# KiCad board MW601_KB.kicad_pcb
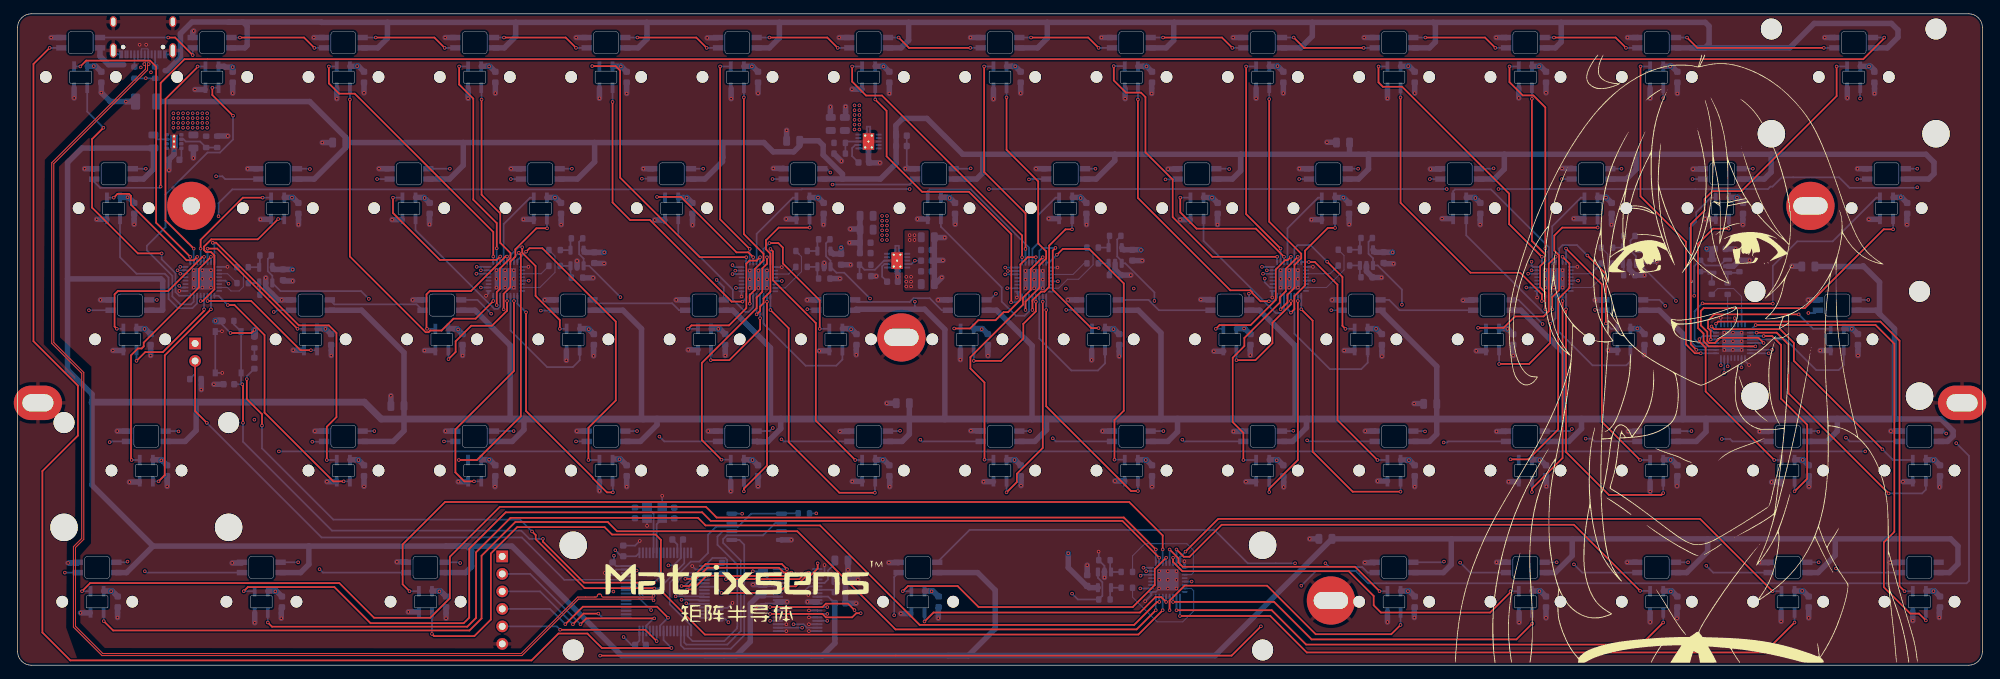
[diagram p0: board, top side]
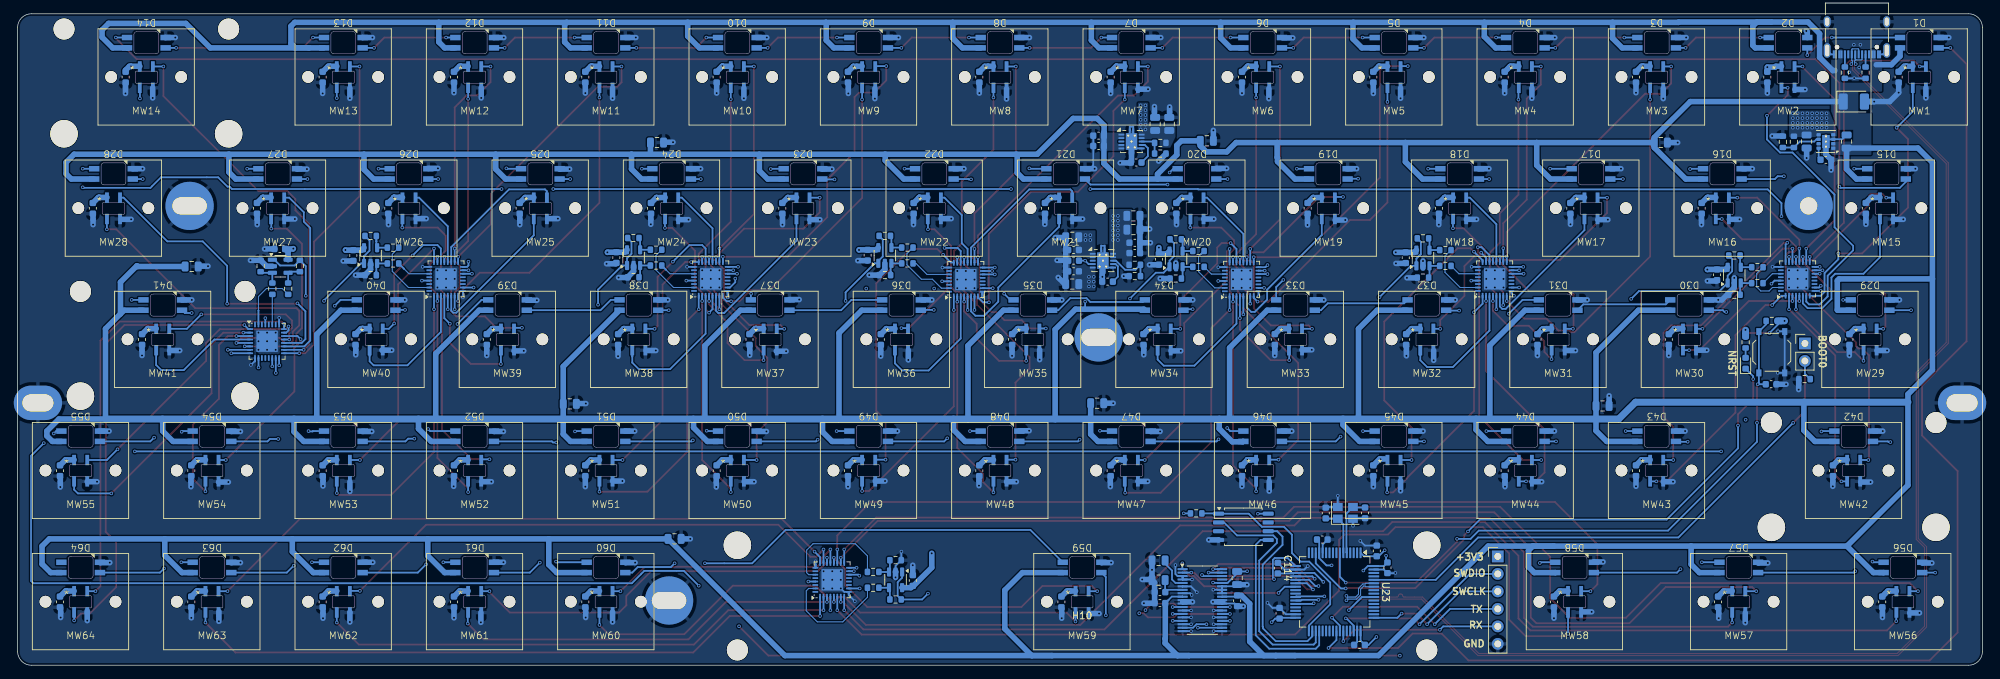
[diagram p1: board, bottom side, seen from below]

Outline 285 x 94.6 mm; copper layers: Top, In1.Cu, In2.Cu, Bottom. Coordinates in mm from the lower left corner of the outline.
Outline path: 0,92.6 arc(0.59,94.01) 2,94.6 283,94.6 arc(284.41,94.01) 285,92.6 285,2 arc(284.41,0.59) 283,0 2,0 arc(0.59,0.59) 0,2 0,92.6
Stack: Top 0.035mm / dielectric 0.1mm FR4 er 4.5 / In1.Cu 0.035mm / dielectric 1.24mm FR4 er 4.5 / In2.Cu 0.035mm / dielectric 0.1mm FR4 er 4.5 / Bottom 0.035mm

## Placement (name value [footprint] x y rotation side)
C1  1uf  [C_0603_1608Metric]  12.15 85.4 270 bottom
C2  1uf  [C_0603_1608Metric]  31.2 85.4 270 bottom
C3  1uf  [C_0603_1608Metric]  50.25 85.4 270 bottom
C4  1uf  [C_0603_1608Metric]  69.3 85.4 270 bottom
C5  1uf  [C_0603_1608Metric]  88.35 85.4 270 bottom
C6  1uf  [C_0603_1608Metric]  107.4 85.4 270 bottom
C7  1uf  [C_0603_1608Metric]  126.45 85.4 270 bottom
C8  1uf  [C_0603_1608Metric]  145.5 85.4 270 bottom
C9  1uf  [C_0603_1608Metric]  164.55 85.4 270 bottom
C10  1uf  [C_0603_1608Metric]  183.6 85.4 270 bottom
C11  1uf  [C_0603_1608Metric]  202.65 85.4 270 bottom
C12  1uf  [C_0603_1608Metric]  221.7 85.4 270 bottom
C13  1uf  [C_0603_1608Metric]  240.75 85.4 270 bottom
C14  1uf  [C_0603_1608Metric]  269.32 85.4 270 bottom
C15  1uf  [C_0603_1608Metric]  16.91 66.35 270 bottom
C16  1uf  [C_0603_1608Metric]  40.72 66.35 270 bottom
C17  1uf  [C_0603_1608Metric]  59.77 66.35 270 bottom
C18  1uf  [C_0603_1608Metric]  78.83 66.35 270 bottom
C19  1uf  [C_0603_1608Metric]  97.88 66.35 270 bottom
C20  1uf  [C_0603_1608Metric]  116.92 66.35 270 bottom
C21  1uf  [C_0603_1608Metric]  135.98 66.35 270 bottom
C22  1uf  [C_0603_1608Metric]  155.03 66.35 270 bottom
C23  1uf  [C_0603_1608Metric]  174.08 66.35 270 bottom
C24  1uf  [C_0603_1608Metric]  193.12 66.35 270 bottom
C25  1uf  [C_0603_1608Metric]  212.18 66.35 270 bottom
C26  1uf  [C_0603_1608Metric]  231.23 66.35 270 bottom
C27  1uf  [C_0603_1608Metric]  250.28 66.35 270 bottom
C28  1uf  [C_0603_1608Metric]  274.09 66.35 270 bottom
C29  1uf  [C_0603_1608Metric]  19.29 47.3 270 bottom
C30  1uf  [C_0603_1608Metric]  45.49 47.3 270 bottom
C31  1uf  [C_0603_1608Metric]  64.54 47.3 270 bottom
C32  1uf  [C_0603_1608Metric]  83.59 47.3 270 bottom
C33  1uf  [C_0603_1608Metric]  102.64 47.3 270 bottom
C34  1uf  [C_0603_1608Metric]  121.69 47.3 270 bottom
C35  1uf  [C_0603_1608Metric]  140.74 47.3 270 bottom
C36  1uf  [C_0603_1608Metric]  159.79 47.3 270 bottom
C37  1uf  [C_0603_1608Metric]  178.84 47.3 270 bottom
C38  1uf  [C_0603_1608Metric]  197.89 47.3 270 bottom
C39  1uf  [C_0603_1608Metric]  216.94 47.3 270 bottom
C40  1uf  [C_0603_1608Metric]  235.99 47.3 270 bottom
C41  1uf  [C_0603_1608Metric]  266.94 47.3 270 bottom
C42  1uf  [C_0603_1608Metric]  21.68 28.25 270 bottom
C43  1uf  [C_0603_1608Metric]  50.25 28.25 270 bottom
C44  1uf  [C_0603_1608Metric]  69.3 28.25 270 bottom
C45  1uf  [C_0603_1608Metric]  88.35 28.25 270 bottom
C46  1uf  [C_0603_1608Metric]  107.4 28.25 270 bottom
C47  1uf  [C_0603_1608Metric]  126.45 28.25 270 bottom
C48  1uf  [C_0603_1608Metric]  145.5 28.25 270 bottom
C49  1uf  [C_0603_1608Metric]  164.55 28.25 270 bottom
C50  1uf  [C_0603_1608Metric]  183.6 28.25 270 bottom
C51  1uf  [C_0603_1608Metric]  202.65 28.25 270 bottom
C52  1uf  [C_0603_1608Metric]  221.7 28.25 270 bottom
C53  1uf  [C_0603_1608Metric]  240.75 28.25 270 bottom
C54  1uf  [C_0603_1608Metric]  259.8 28.25 270 bottom
C55  1uf  [C_0603_1608Metric]  278.85 28.25 270 bottom
C56  1uf  [C_0603_1608Metric]  14.53 9.2 270 bottom
C57  1uf  [C_0603_1608Metric]  38.34 9.2 270 bottom
C58  1uf  [C_0603_1608Metric]  62.16 9.2 270 bottom
C59  1uf  [C_0603_1608Metric]  133.59 9.2 270 bottom
C60  1uf  [C_0603_1608Metric]  202.65 9.2 270 bottom
C61  1uf  [C_0603_1608Metric]  221.7 9.2 270 bottom
C62  1uf  [C_0603_1608Metric]  240.75 9.2 270 bottom
C63  1uf  [C_0603_1608Metric]  259.8 9.2 270 bottom
C64  1uf  [C_0603_1608Metric]  278.85 9.2 270 bottom
C65  47uf  [C_0805_2012Metric]  46.65 75.9 180 bottom
C66  47uf  [C_0805_2012Metric]  112.5 76.15 180 bottom
C67  47uf  [C_0805_2012Metric]  192.25 75.9 180 bottom
C68  47uf  [C_0805_2012Metric]  259.75 57.9 180 bottom
C69  47uf  [C_0805_2012Metric]  55.1 37.65 180 bottom
C70  47uf  [C_0805_2012Metric]  128.4 38.05 180 bottom
C71  47uf  [C_0805_2012Metric]  204.9 37.95 180 bottom
C72  47uf  [C_0805_2012Metric]  189.7 18.35 180 bottom
C73  100nf  [C_0603_1608Metric]  90.35 2.95 180 bottom
C74  100nf  [C_0603_1608Metric]  101.95 7.55 270 bottom
C75  100nf  [C_0603_1608Metric]  87.85 16.6 270 bottom
C76  100nf  [C_0603_1608Metric]  30.65 40.8 0 bottom
C77  47uf Polarized  [CP_EIA-3528-21_Kemet-B]  18.65 81.85 180 bottom
C78  12pf  [C_0603_1608Metric]  89.55 22.12 90 bottom
C79  12pf  [C_0603_1608Metric]  95.25 22.1 270 bottom
C80  1uf  [C_0603_1608Metric]  108.1 9.36 270 bottom
C81  1uf  [C_0603_1608Metric]  119.3 9.01 0 bottom
C82  10uf  [C_0805_2012Metric]  108.1 12.66 270 bottom
C83  10uf  [C_0805_2012Metric]  119.5 15.21 0 bottom
C84  1uf  [C_0603_1608Metric]  119.3 10.61 0 bottom
C85  22uf  [C_0805_2012Metric]  119.5 12.36 0 bottom
C86  1uf  [C_0603_1608Metric]  38.5 56.7 90 bottom
C87  1uf  [C_0603_1608Metric]  83.65 59.17 90 bottom
C88  1uf  [C_0603_1608Metric]  119.45 58.95 90 bottom
C89  1uf  [C_0603_1608Metric]  161.7 59.55 90 bottom
C90  1uf  [C_0603_1608Metric]  198.15 59.2 90 bottom
C91  1uf  [C_0603_1608Metric]  236.3 59.5 90 bottom
C92  1uf  [C_0603_1608Metric]  246.98 60.45 180 bottom
C93  1uf  [C_0603_1608Metric]  155.15 12.3 270 bottom
C94  10uf  [C_0805_2012Metric]  25.5 76.05 270 bottom
C95  10uf  [C_0805_2012Metric]  19.7 76.05 90 bottom
C96  3.3nf  [C_0603_1608Metric]  22.7 73.4 180 bottom
C97  1uf  [C_0603_1608Metric]  131.83 58.75 0 bottom
C98  47uf  [C_0805_2012Metric]  132.03 62.15 0 bottom
C99  10uf  [C_0805_2012Metric]  132.03 55.35 0 bottom
C100  1uf  [C_0603_1608Metric]  131.83 57.2 0 bottom
C101  100nf  [C_0603_1608Metric]  131.83 60.3 0 bottom
C102  10uf  [C_0805_2012Metric]  123.15 63.25 180 bottom
C103  22uf  [C_0805_2012Metric]  123.15 65.25 180 bottom
C104  1uf  [C_0603_1608Metric]  122.95 61.35 180 bottom
C105  100nf  [C_0603_1608Metric]  122.95 59.85 180 bottom
C106  3.3nf  [C_0603_1608Metric]  126.9 55.7 0 bottom
C107  1uf  [C_0603_1608Metric]  128.2 76.9 0 bottom
C108  4.7uf  [C_0603_1608Metric]  128.2 75.4 0 bottom
C109  10uf  [C_0805_2012Metric]  120 78.6 90 bottom
C110  22uf  [C_0805_2012Metric]  117.95 78.6 90 bottom
C111  3.3nf  [C_0603_1608Metric]  122.75 73 0 bottom
C112  100nf  [C_0603_1608Metric]  86.3 14.15 90 bottom
C113  100nf  [C_0603_1608Metric]  95.75 18.25 0 bottom
C114  100nf  [C_0603_1608Metric]  102.2 14.1 270 bottom
D1  WS2812B  [WS2812B反贴]  9.15 90.4 0 bottom
D2  WS2812B  [WS2812B反贴]  28.2 90.4 0 bottom
D3  WS2812B  [WS2812B反贴]  47.25 90.4 0 bottom
D4  WS2812B  [WS2812B反贴]  66.3 90.4 0 bottom
D5  WS2812B  [WS2812B反贴]  85.35 90.4 0 bottom
D6  WS2812B  [WS2812B反贴]  104.4 90.4 0 bottom
D7  WS2812B  [WS2812B反贴]  123.45 90.4 0 bottom
D8  WS2812B  [WS2812B反贴]  142.5 90.4 0 bottom
D9  WS2812B  [WS2812B反贴]  161.55 90.4 0 bottom
D10  WS2812B  [WS2812B反贴]  180.6 90.4 0 bottom
D11  WS2812B  [WS2812B反贴]  199.65 90.4 0 bottom
D12  WS2812B  [WS2812B反贴]  218.7 90.4 0 bottom
D13  WS2812B  [WS2812B反贴]  237.75 90.4 0 bottom
D14  WS2812B  [WS2812B反贴]  266.32 90.4 0 bottom
D15  WS2812B  [WS2812B反贴]  13.91 71.35 0 bottom
D16  WS2812B  [WS2812B反贴]  37.72 71.35 0 bottom
D17  WS2812B  [WS2812B反贴]  56.77 71.35 0 bottom
D18  WS2812B  [WS2812B反贴]  75.83 71.35 0 bottom
D19  WS2812B  [WS2812B反贴]  94.88 71.35 0 bottom
D20  WS2812B  [WS2812B反贴]  113.92 71.35 0 bottom
D21  WS2812B  [WS2812B反贴]  132.98 71.35 0 bottom
D22  WS2812B  [WS2812B反贴]  152.03 71.35 0 bottom
D23  WS2812B  [WS2812B反贴]  171.08 71.35 0 bottom
D24  WS2812B  [WS2812B反贴]  190.12 71.35 0 bottom
D25  WS2812B  [WS2812B反贴]  209.18 71.35 0 bottom
D26  WS2812B  [WS2812B反贴]  228.23 71.35 0 bottom
D27  WS2812B  [WS2812B反贴]  247.28 71.35 0 bottom
D28  WS2812B  [WS2812B反贴]  271.09 71.35 0 bottom
D29  WS2812B  [WS2812B反贴]  16.29 52.3 0 bottom
D30  WS2812B  [WS2812B反贴]  42.49 52.3 0 bottom
D31  WS2812B  [WS2812B反贴]  61.54 52.3 0 bottom
D32  WS2812B  [WS2812B反贴]  80.59 52.3 0 bottom
D33  WS2812B  [WS2812B反贴]  99.64 52.3 0 bottom
D34  WS2812B  [WS2812B反贴]  118.69 52.3 0 bottom
D35  WS2812B  [WS2812B反贴]  137.74 52.3 0 bottom
D36  WS2812B  [WS2812B反贴]  156.79 52.3 0 bottom
D37  WS2812B  [WS2812B反贴]  175.84 52.3 0 bottom
D38  WS2812B  [WS2812B反贴]  194.89 52.3 0 bottom
D39  WS2812B  [WS2812B反贴]  213.94 52.3 0 bottom
D40  WS2812B  [WS2812B反贴]  232.99 52.3 0 bottom
D41  WS2812B  [WS2812B反贴]  263.94 52.3 0 bottom
D42  WS2812B  [WS2812B反贴]  18.68 33.25 0 bottom
D43  WS2812B  [WS2812B反贴]  47.25 33.25 0 bottom
D44  WS2812B  [WS2812B反贴]  66.3 33.25 0 bottom
D45  WS2812B  [WS2812B反贴]  85.35 33.25 0 bottom
D46  WS2812B  [WS2812B反贴]  104.4 33.25 0 bottom
D47  WS2812B  [WS2812B反贴]  123.45 33.25 0 bottom
D48  WS2812B  [WS2812B反贴]  142.5 33.25 0 bottom
D49  WS2812B  [WS2812B反贴]  161.55 33.25 0 bottom
D50  WS2812B  [WS2812B反贴]  180.6 33.25 0 bottom
D51  WS2812B  [WS2812B反贴]  199.65 33.25 0 bottom
D52  WS2812B  [WS2812B反贴]  218.7 33.25 0 bottom
D53  WS2812B  [WS2812B反贴]  237.75 33.25 0 bottom
D54  WS2812B  [WS2812B反贴]  256.8 33.25 0 bottom
D55  WS2812B  [WS2812B反贴]  275.85 33.25 0 bottom
D56  WS2812B  [WS2812B反贴]  11.53 14.2 0 bottom
D57  WS2812B  [WS2812B反贴]  35.34 14.2 0 bottom
D58  WS2812B  [WS2812B反贴]  59.16 14.2 0 bottom
D59  WS2812B  [WS2812B反贴]  130.59 14.2 0 bottom
D60  WS2812B  [WS2812B反贴]  199.65 14.2 0 bottom
D61  WS2812B  [WS2812B反贴]  218.7 14.2 0 bottom
D62  WS2812B  [WS2812B反贴]  237.75 14.2 0 bottom
D63  WS2812B  [WS2812B反贴]  256.8 14.2 0 bottom
D64  WS2812B  [WS2812B反贴]  275.85 14.2 0 bottom
D65  LED  [LED_0603_1608Metric]  34.35 43.85 90 bottom
G***  -  [LOGO]  244.5 44.55 0 top
G***#2  -  [LOGO]  105.35 10.7 0 top
H1  MountingHole_Pad  [PKRHC]  25.2 66.7 0 top
H2  MountingHole_Pad  [PKRH]  260.05 66.7 0 top
H3  MountingHole_Pad  [PKRH]  128.2 47.6 0 top
H4  MountingHole_Pad  [PKRHSL]  2.95 38.1 0 top
H5  MountingHole_Pad  [PKRHSL]  282.05 38.1 0 top
H6  MountingHole_Pad  [PKRH]  190.5 9.4 0 top
H7  -  [Stabilizer_Cherry_MX_2.00u]  266.32 85.4 0 top
H8  -  [Stabilizer_Cherry_MX_2.00u]  263.94 47.3 0 top
H9  -  [Stabilizer_Cherry_MX_2.00u]  18.68 28.25 0 top
H10  -  [Stabilizer_Cherry_MX_6.25u]  130.59 9.2 0 bottom
J1  Conn_01x06  [PinHeader_1x06_P2.54mm_Vertical]  70.3 15.8 180 bottom
J2  USB_C_Receptacle_USB2.0_16P  [USB_C_Receptacle_XKB_U262-16XN-4BVC11]  18.2 92.38 0 bottom
J3  Boot0  [PinHeader_1x02_P2.54mm_Vertical]  25.75 46.72 180 bottom
MW1  ~  [SW_MW601_1.00u]  9.15 85.4 180 bottom
MW2  ~  [SW_MW601_1.00u]  28.2 85.4 180 bottom
MW3  ~  [SW_MW601_1.00u]  47.25 85.4 180 bottom
MW4  ~  [SW_MW601_1.00u]  66.3 85.4 180 bottom
MW5  ~  [SW_MW601_1.00u]  85.35 85.4 180 bottom
MW6  ~  [SW_MW601_1.00u]  104.4 85.4 180 bottom
MW7  ~  [SW_MW601_1.00u]  123.45 85.4 180 bottom
MW8  ~  [SW_MW601_1.00u]  142.5 85.4 180 bottom
MW9  ~  [SW_MW601_1.00u]  161.55 85.4 180 bottom
MW10  ~  [SW_MW601_1.00u]  180.6 85.4 180 bottom
MW11  ~  [SW_MW601_1.00u]  199.65 85.4 180 bottom
MW12  ~  [SW_MW601_1.00u]  218.7 85.4 180 bottom
MW13  ~  [SW_MW601_1.00u]  237.75 85.4 180 bottom
MW14  ~  [SW_MW601_1.00u]  266.32 85.4 180 bottom
MW15  ~  [SW_MW601_1.00u]  13.91 66.35 180 bottom
MW16  ~  [SW_MW601_1.00u]  37.72 66.35 180 bottom
MW17  ~  [SW_MW601_1.00u]  56.77 66.35 180 bottom
MW18  ~  [SW_MW601_1.00u]  75.83 66.35 180 bottom
MW19  ~  [SW_MW601_1.00u]  94.88 66.35 180 bottom
MW20  ~  [SW_MW601_1.00u]  113.92 66.35 180 bottom
MW21  ~  [SW_MW601_1.00u]  132.98 66.35 180 bottom
MW22  ~  [SW_MW601_1.00u]  152.03 66.35 180 bottom
MW23  ~  [SW_MW601_1.00u]  171.08 66.35 180 bottom
MW24  ~  [SW_MW601_1.00u]  190.12 66.35 180 bottom
MW25  ~  [SW_MW601_1.00u]  209.18 66.35 180 bottom
MW26  ~  [SW_MW601_1.00u]  228.23 66.35 180 bottom
MW27  ~  [SW_MW601_1.00u]  247.28 66.35 180 bottom
MW28  ~  [SW_MW601_1.00u]  271.09 66.35 180 bottom
MW29  ~  [SW_MW601_1.00u]  16.29 47.3 180 bottom
MW30  ~  [SW_MW601_1.00u]  42.49 47.3 180 bottom
MW31  ~  [SW_MW601_1.00u]  61.54 47.3 180 bottom
MW32  ~  [SW_MW601_1.00u]  80.59 47.3 180 bottom
MW33  ~  [SW_MW601_1.00u]  99.64 47.3 180 bottom
MW34  ~  [SW_MW601_1.00u]  118.69 47.3 180 bottom
MW35  ~  [SW_MW601_1.00u]  137.74 47.3 180 bottom
MW36  ~  [SW_MW601_1.00u]  156.79 47.3 180 bottom
MW37  ~  [SW_MW601_1.00u]  175.84 47.3 180 bottom
MW38  ~  [SW_MW601_1.00u]  194.89 47.3 180 bottom
MW39  ~  [SW_MW601_1.00u]  213.94 47.3 180 bottom
MW40  ~  [SW_MW601_1.00u]  232.99 47.3 180 bottom
MW41  ~  [SW_MW601_1.00u]  263.94 47.3 180 bottom
MW42  ~  [SW_MW601_1.00u]  18.68 28.25 180 bottom
MW43  ~  [SW_MW601_1.00u]  47.25 28.25 180 bottom
MW44  ~  [SW_MW601_1.00u]  66.3 28.25 180 bottom
MW45  ~  [SW_MW601_1.00u]  85.35 28.25 180 bottom
MW46  ~  [SW_MW601_1.00u]  104.4 28.25 180 bottom
MW47  ~  [SW_MW601_1.00u]  123.45 28.25 180 bottom
MW48  ~  [SW_MW601_1.00u]  142.5 28.25 180 bottom
MW49  ~  [SW_MW601_1.00u]  161.55 28.25 180 bottom
MW50  ~  [SW_MW601_1.00u]  180.6 28.25 180 bottom
MW51  ~  [SW_MW601_1.00u]  199.65 28.25 180 bottom
MW52  ~  [SW_MW601_1.00u]  218.7 28.25 180 bottom
MW53  ~  [SW_MW601_1.00u]  237.75 28.25 180 bottom
MW54  ~  [SW_MW601_1.00u]  256.8 28.25 180 bottom
MW55  ~  [SW_MW601_1.00u]  275.85 28.25 180 bottom
MW56  ~  [SW_MW601_1.00u]  11.53 9.2 180 bottom
MW57  ~  [SW_MW601_1.00u]  35.34 9.2 180 bottom
MW58  ~  [SW_MW601_1.00u]  59.16 9.2 180 bottom
MW59  ~  [SW_MW601_1.00u]  130.59 9.2 180 bottom
MW60  ~  [SW_MW601_1.00u]  199.65 9.2 180 bottom
MW61  ~  [SW_MW601_1.00u]  218.7 9.2 180 bottom
MW62  ~  [SW_MW601_1.00u]  237.75 9.2 180 bottom
MW63  ~  [SW_MW601_1.00u]  256.8 9.2 180 bottom
MW64  ~  [SW_MW601_1.00u]  275.85 9.2 180 bottom
R1  4.7k  [R_0603_1608Metric]  30.55 50 180 bottom
R2  4.7k  [R_0603_1608Metric]  16.95 86.05 270 bottom
R3  4.7k  [R_0603_1608Metric]  19.95 86.05 270 bottom
R4  4.7k  [R_0603_1608Metric]  25.8 41.55 180 bottom
R5  510R  [R_0603_1608Metric]  34.35 46.9 90 bottom
R6  6k  [R_0603_1608Metric]  35.97 53.8 0 bottom
R7  6k  [R_0603_1608Metric]  195.69 56.34 0 bottom
R8  1k  [R_0603_1608Metric]  32.65 55.49 0 bottom
R9  1k  [R_0603_1608Metric]  192.39 58.04 0 bottom
R10  1k  [R_0603_1608Metric]  32.64 57.8 0 bottom
R11  1k  [R_0603_1608Metric]  192.39 60.34 0 bottom
R12  6k  [R_0603_1608Metric]  35.97 59.5 0 bottom
R13  6k  [R_0603_1608Metric]  195.69 62.04 0 bottom
R14  6k  [R_0603_1608Metric]  81.15 56.29 0 bottom
R15  6k  [R_0603_1608Metric]  233.79 56.64 0 bottom
R16  1k  [R_0603_1608Metric]  77.9 57.99 0 bottom
R17  1k  [R_0603_1608Metric]  230.54 58.34 0 bottom
R18  1k  [R_0603_1608Metric]  77.9 60.29 0 bottom
R19  1k  [R_0603_1608Metric]  230.54 60.64 0 bottom
R20  6k  [R_0603_1608Metric]  81.15 61.99 0 bottom
R21  6k  [R_0603_1608Metric]  233.79 62.34 0 bottom
R22  6k  [R_0603_1608Metric]  117.01 56.15 0 bottom
R23  6k  [R_0603_1608Metric]  249.75 57.97 90 bottom
R24  1k  [R_0603_1608Metric]  113.71 57.85 0 bottom
R25  1k  [R_0603_1608Metric]  248.05 54.67 90 bottom
R26  1k  [R_0603_1608Metric]  113.71 60.15 0 bottom
R27  1k  [R_0603_1608Metric]  245.75 54.67 90 bottom
R28  6k  [R_0603_1608Metric]  117.01 61.85 0 bottom
R29  6k  [R_0603_1608Metric]  244.05 57.97 90 bottom
R30  6k  [R_0603_1608Metric]  159.19 56.65 0 bottom
R31  6k  [R_0603_1608Metric]  157.65 15.25 180 bottom
R32  1k  [R_0603_1608Metric]  155.94 58.35 0 bottom
R33  1k  [R_0603_1608Metric]  160.9 13.55 180 bottom
R34  1k  [R_0603_1608Metric]  155.94 60.65 0 bottom
R35  1k  [R_0603_1608Metric]  160.9 11.25 180 bottom
R36  6k  [R_0603_1608Metric]  159.21 62.35 0 bottom
R37  6k  [R_0603_1608Metric]  157.65 9.55 180 bottom
R38  4.7k  [R_0603_1608Metric]  114.05 22.05 0 bottom
R39  309k  [R_0603_1608Metric]  27.35 76 270 bottom
R40  100k  [R_0603_1608Metric]  28.95 76 90 bottom
R41  1k  [R_0603_1608Metric]  122.95 58.15 180 bottom
R42  4k  [R_0603_1608Metric]  122.95 56.5 0 bottom
R43  3.57k  [R_0603_1608Metric]  119.25 75.85 0 bottom
R44  1.15k  [R_0603_1608Metric]  119.25 74.3 180 bottom
SW1  SW_Push  [SW_Push_1P1T_XKB_TS-1187A]  30.55 45.45 270 bottom
U2  ADG1607xCP  [LFCSP-32-1EP_5x5mm_P0.5mm_EP3.1x3.1mm]  26.8 56.1 90 bottom
U3  ADG1607xCP  [LFCSP-32-1EP_5x5mm_P0.5mm_EP3.1x3.1mm]  70.75 56.1 90 bottom
U4  ADG1607xCP  [LFCSP-32-1EP_5x5mm_P0.5mm_EP3.1x3.1mm]  107.45 56.05 90 bottom
U5  ADG1607xCP  [LFCSP-32-1EP_5x5mm_P0.5mm_EP3.1x3.1mm]  147.45 56 90 bottom
U6  ADG1607xCP  [LFCSP-32-1EP_5x5mm_P0.5mm_EP3.1x3.1mm]  184.45 56.1 90 bottom
U7  ADG1607xCP  [LFCSP-32-1EP_5x5mm_P0.5mm_EP3.1x3.1mm]  222.85 56.1 90 bottom
U8  ADG1607xCP  [LFCSP-32-1EP_5x5mm_P0.5mm_EP3.1x3.1mm]  248.81 47.05 180 bottom
U9  ADG1607xCP  [LFCSP-32-1EP_5x5mm_P0.5mm_EP3.1x3.1mm]  166.85 12.4 90 bottom
U10  OPA310xDBV  [SOT-23-5]  36 56.65 90 bottom
U11  OPA310xDBV  [SOT-23-5]  195.65 59.19 90 bottom
U12  OPA310xDBV  [SOT-23-5]  81.15 59.14 90 bottom
U13  OPA310xDBV  [SOT-23-5]  233.8 59.49 90 bottom
U14  ADS8688  [TSSOP-38_4.4x9.7mm_P0.5mm]  113.15 9.45 180 bottom
U15  OPA310xDBV  [SOT-23-5]  116.96 59 90 bottom
U16  OPA310xDBV  [SOT-23-5]  246.9 57.94 180 bottom
U17  OPA310xDBV  [SOT-23-5]  159.2 59.5 90 bottom
U18  OPA310xDBV  [SOT-23-5]  157.65 12.4 270 bottom
U19  TPS82130  [Texas_SIL0008D_MicroSiP-8-1EP_2.8x3mm_P0.65mm_EP1.1x1.9mm_ThermalVias]  22.7 76.05 0 bottom
U20  TPS74801DRC  [VSON-10-1EP_3x3mm_P0.5mm_EP1.65x2.4mm_ThermalVias]  127.58 58.75 180 bottom
U21  TPS74801DRC  [VSON-10-1EP_3x3mm_P0.5mm_EP1.65x2.4mm_ThermalVias]  123.42 76.05 180 bottom
U22  W25Q128JVS  [SOIC-8_5.23x5.23mm_P1.27mm]  107.2 20.1 180 bottom
U23  CH32V30xRxTx  [LQFP-64_10x10mm_P0.5mm]  93.95 10.65 270 bottom
Y1  Crystal_GND24  [Crystal_SMD_3225-4Pin_3.2x2.5mm]  92.4 22.12 180 bottom

## Library data of the parts
C1-C72 C80-C85 C97-C101 C103-C105 C107 C108 C110 = -: Description: Unpolarized capacitor, small symbol; ki_fp_filters: C_*
C73-C76 C78 C79 C86-C96 C102 C106 C109 C111-C114 = -: Description: Unpolarized capacitor; ki_fp_filters: C_*
C77 = -: Description: Polarized capacitor; ki_fp_filters: CP_*
D1-D64 = -: Datasheet: https://cdn-shop.adafruit.com/datasheets/WS2812B.pdf; Description: RGB LED with integrated controller; ki_fp_filters: LED*WS2812*PLCC*5.0x5.0mm*P3.2mm*
D65 = -: Description: Light emitting diode; ki_fp_filters: LED* LED_SMD:* LED_THT:*
H1-H6 = -: Description: Mounting Hole with connection; ki_fp_filters: MountingHole*Pad*
H7-H10 = -: Description: Mounting Hole without connection; ki_fp_filters: MountingHole*
J1 = -: Description: Generic connector, single row, 01x06, script generated (kicad-library-utils/schlib/autogen/connector/); ki_fp_filters: Connector*:*_1x??_*
J2 = -: Datasheet: https://www.usb.org/sites/default/files/documents/usb_type-c.zip; Description: USB 2.0-only 16P Type-C Receptacle connector; ki_fp_filters: USB*C*Receptacle*
J3 = -: Description: Generic connector, single row, 01x02, script generated (kicad-library-utils/schlib/autogen/connector/); ki_fp_filters: Connector*:*_1x??_*
R1 R4 R5 R38-R40 = -: Description: Resistor; ki_fp_filters: R_*
R2 R3 R6-R37 R41-R44 = -: Description: Resistor, small symbol; ki_fp_filters: R_*
SW1 = -: Description: Push button switch, generic, two pins
U2-U9 = -: Datasheet: https://www.analog.com/media/en/technical-documentation/data-sheets/ADG1606_1607.pdf; Description: Differential 8-channel +/-5V, +12V, +5V, and +3.3V iCMOS analog multiplexer, 4.5 Ohm Ron, 37 MHz, LFCSP-32 5x5mm; ki_fp_filters: LFCSP*1EP*5x5mm*P0.5mm*
U10-U13 U15-U18 = -: Datasheet: https://www.ti.com/lit/ds/symlink/opa2310.pdf; Description: High output current, Rail-to-Rail Input/Output, 3MHz GBW, Operational Amplifiers, integrated RFI/EMI filter, 1.5V to 5.5V supply, SOT-23-5; ki_fp_filters: SOT?23*
U14 = -: Datasheet: http://www.ti.com/lit/ds/symlink/ads8688.pdf; Description: 16-Bit, 500-kSPS, 8-Channels, Single-Supply, SAR ADC with Bipolar Input Range, TSSOP-38; ki_fp_filters: TSSOP*4.4x9.7mm*P0.5mm*
U19 = -: Datasheet: http://www.ti.com/lit/ds/symlink/tps82130.pdf; Description: 17V Input 3A Step-Down Converter MicroSiP Module with Integrated Inductor, μSiL-8; ki_fp_filters: Texas*MicroSiP*1EP*2.8x3mm*P0.65mm*
U20 U21 = -: Datasheet: https://www.ti.com/lit/ds/symlink/tps74801.pdf; Description: Texas Instruments 1.5A, Low-Dropout Linear Regulator With Programmable Soft-Start, 0.8-5.5Vin, 2.7-6.0Vbias, 0.8-3.6Vout; ki_fp_filters: VSON*EP*3x3mm*P0.5mm*
U22 = -: Datasheet: http://www.winbond.com/resource-files/w25q128jv_dtr%20revc%2003272018%20plus.pdf; Description: 128Mb Serial Flash Memory, Standard/Dual/Quad SPI, SOIC-8; ki_fp_filters: SOIC*5.23x5.23mm*P1.27mm*
U23 = -: Datasheet: http://www.wch-ic.com/products/CH32V307.html?; Description: The CH32V303/5/7 is an connectivity MCUs based on 32-bit RISC-V core.; ki_fp_filters: LQFP*10x10mm*P0.5mm*
Y1 = -: Description: Four pin crystal, GND on pins 2 and 4; ki_fp_filters: Crystal*

## Footprints (pads in the part's own frame, mm; a bottom-side part is the same pattern mirrored in y, then rotated)
C_0603_1608Metric
  rrect 0.9x0.95 smd: 1(-0.775,0) 2(0.775,0)
C_0805_2012Metric
  rrect 1x1.45 smd: 1(-0.95,0) 2(0.95,0)
CP_EIA-3528-21_Kemet-B
  rrect 1.325x2.35 smd: 1(-1.538,0) 2(1.538,0)
Crystal_SMD_3225-4Pin_3.2x2.5mm
  rect 1.4x1.2 smd: 1(-1.1,-0.85) 2(1.1,-0.85) 3(1.1,0.85) 4(-1.1,0.85)
LED_0603_1608Metric
  rrect 0.875x0.95 smd: 1(-0.788,0) 2(0.788,0)
LFCSP-32-1EP_5x5mm_P0.5mm_EP3.1x3.1mm
  rrect 0.83x0.83 smd: (-1.03,-1.03) (-1.03,0) (-1.03,1.03) (0,-1.03) (0,0) (0,1.03) (1.03,-1.03) (1.03,0) (1.03,1.03)
  rrect 0.825x0.25 smd: 1(-2.438,1.75) 2(-2.438,1.25) 3(-2.438,0.75) 4(-2.438,0.25) 5(-2.438,-0.25) 6(-2.438,-0.75) 7(-2.438,-1.25) 8(-2.438,-1.75) 17(2.438,-1.75) 18(2.438,-1.25) 19(2.438,-0.75) 20(2.438,-0.25) 21(2.438,0.25) 22(2.438,0.75) 23(2.438,1.25) 24(2.438,1.75)
  rrect 0.25x0.825 smd: 9(-1.75,-2.438) 10(-1.25,-2.438) 11(-0.75,-2.438) 12(-0.25,-2.438) 13(0.25,-2.438) 14(0.75,-2.438) 15(1.25,-2.438) 16(1.75,-2.438) 25(1.75,2.438) 26(1.25,2.438) 27(0.75,2.438) 28(0.25,2.438) 29(-0.25,2.438) 30(-0.75,2.438) 31(-1.25,2.438) 32(-1.75,2.438)
  rect 3.1x3.1 smd: 33(0,0)
LQFP-64_10x10mm_P0.5mm
  rrect 1.55x0.3 smd: 1(-5.675,3.75) 2(-5.675,3.25) 3(-5.675,2.75) 4(-5.675,2.25) 5(-5.675,1.75) 6(-5.675,1.25) 7(-5.675,0.75) 8(-5.675,0.25) 9(-5.675,-0.25) 10(-5.675,-0.75) 11(-5.675,-1.25) 12(-5.675,-1.75) 13(-5.675,-2.25) 14(-5.675,-2.75) 15(-5.675,-3.25) 16(-5.675,-3.75) 33(5.675,-3.75) 34(5.675,-3.25) 35(5.675,-2.75) 36(5.675,-2.25) 37(5.675,-1.75) 38(5.675,-1.25) 39(5.675,-0.75) 40(5.675,-0.25) 41(5.675,0.25) 42(5.675,0.75) 43(5.675,1.25) 44(5.675,1.75) 45(5.675,2.25) 46(5.675,2.75) 47(5.675,3.25) 48(5.675,3.75)
  rrect 0.3x1.55 smd: 17(-3.75,-5.675) 18(-3.25,-5.675) 19(-2.75,-5.675) 20(-2.25,-5.675) 21(-1.75,-5.675) 22(-1.25,-5.675) 23(-0.75,-5.675) 24(-0.25,-5.675) 25(0.25,-5.675) 26(0.75,-5.675) 27(1.25,-5.675) 28(1.75,-5.675) 29(2.25,-5.675) 30(2.75,-5.675) 31(3.25,-5.675) 32(3.75,-5.675) 49(3.75,5.675) 50(3.25,5.675) 51(2.75,5.675) 52(2.25,5.675) 53(1.75,5.675) 54(1.25,5.675) 55(0.75,5.675) 56(0.25,5.675) 57(-0.25,5.675) 58(-0.75,5.675) 59(-1.25,5.675) 60(-1.75,5.675) 61(-2.25,5.675) 62(-2.75,5.675) 63(-3.25,5.675) 64(-3.75,5.675)
PinHeader_1x02_P2.54mm_Vertical
  rect 1.7x1.7 hole 1: 1(0,0)
  oval 1.7x1.7 hole 1: 2(0,-2.54)
PinHeader_1x06_P2.54mm_Vertical
  rect 1.7x1.7 hole 1: 1(0,0)
  oval 1.7x1.7 hole 1: 2(0,-2.54) 3(0,-5.08) 4(0,-7.62) 5(0,-10.16) 6(0,-12.7)
PKRH
  round 7 hole 5.001x2.499: 1(0,0)
PKRHC
  round 7.001 hole 2.499: 1(0,0)
PKRHSL
  oval 7x5.001 hole 4.5x2.499: 1(0,0)
R_0603_1608Metric
  rrect 0.8x0.95 smd: 1(-0.825,0) 2(0.825,0)
SOIC-8_5.23x5.23mm_P1.27mm
  rrect 1.6x0.6 smd: 1(-3.6,1.905) 2(-3.6,0.635) 3(-3.6,-0.635) 4(-3.6,-1.905) 5(3.6,-1.905) 6(3.6,-0.635) 7(3.6,0.635) 8(3.6,1.905)
SOT-23-5
  rrect 1.325x0.6 smd: 1(-1.137,0.95) 2(-1.137,0) 3(-1.137,-0.95) 4(1.137,-0.95) 5(1.137,0.95)
Stabilizer_Cherry_MX_2.00u
  round 3.048 hole 3.048 unplated: (-11.938,6.985) (11.938,6.985)
  round 3.988 hole 3.988 unplated: (-11.938,-8.225) (11.938,-8.225)
Stabilizer_Cherry_MX_6.25u
  round 3.988 hole 3.988 unplated: (-50,-8.225) (50,-8.225)
  round 3.048 hole 3.048 unplated: (-50,6.985) (50,6.985)
SW_MW601_1.00u
  round 1.7 hole 1.7 unplated: (-5.105,0.025) (5.055,0.025)
  rect 0.55x1.5 smd: 1(-0.95,1.55) 2(0.95,1.55) 3(0.95,-1.55) 4(-0.95,-1.55)
SW_Push_1P1T_XKB_TS-1187A
  rect 1x0.75 smd: 1(-3,1.875) 1(3,1.875) 2(-3,-1.875) 2(3,-1.875)
Texas_SIL0008D_MicroSiP-8-1EP_2.8x3mm_P0.65mm_EP1.1x1.9mm_ThermalVias
  rrect 0.95x0.55 smd: (0,-0.63) (0,0) (0,0.63)
  rrect 0.625x0.5 smd: 1(-1.062,0.975) 2(-1.062,0.325) 3(-1.062,-0.325) 4(-1.062,-0.975) 5(1.062,-0.975) 6(1.062,-0.325) 7(1.062,0.325) 8(1.062,0.975)
  round 0.5 hole 0.3: 9(0,-0.75) 9(0,0) 9(0,0.75)
  rect 0.5x2 smd far side: 9(0,0)
  rect 1.1x1.9 smd: 9(0,0)
TSSOP-38_4.4x9.7mm_P0.5mm
  rrect 1.475x0.3 smd: 1(-2.862,4.5) 2(-2.862,4) 3(-2.862,3.5) 4(-2.862,3) 5(-2.862,2.5) 6(-2.862,2) 7(-2.862,1.5) 8(-2.862,1) 9(-2.862,0.5) 10(-2.862,0) 11(-2.862,-0.5) 12(-2.862,-1) 13(-2.862,-1.5) 14(-2.862,-2) 15(-2.862,-2.5) 16(-2.862,-3) 17(-2.862,-3.5) 18(-2.862,-4) 19(-2.862,-4.5) 20(2.862,-4.5) 21(2.862,-4) 22(2.862,-3.5) 23(2.862,-3) 24(2.862,-2.5) 25(2.862,-2) 26(2.862,-1.5) 27(2.862,-1) 28(2.862,-0.5) 29(2.862,0) 30(2.862,0.5) 31(2.862,1) 32(2.862,1.5) 33(2.862,2) 34(2.862,2.5) 35(2.862,3) 36(2.862,3.5) 37(2.862,4) 38(2.862,4.5)
USB_C_Receptacle_XKB_U262-16XN-4BVC11
  round 0.65 hole 0.65 unplated: (-2.89,2.605) (2.89,2.605)
  rect 0.3x1.15 smd: A1(-3.35,3.67) A4(-2.55,3.67) A5(-1.25,3.67) A6(-0.25,3.67) A7(0.25,3.67) A8(1.25,3.67) A9(2.55,3.67) A12(3.35,3.67) B1(3.05,3.67) B4(2.25,3.67) B5(1.75,3.67) B6(0.75,3.67) B7(-0.75,3.67) B8(-1.75,3.67) B9(-2.25,3.67) B12(-3.05,3.67)
  oval 1x1.6 hole 0.6x1.2: S1(-4.32,-1.075) S1(4.32,-1.075)
  oval 1x2.1 hole 0.6x1.7: S1(-4.32,3.105) S1(4.32,3.105)
VSON-10-1EP_3x3mm_P0.5mm_EP1.65x2.4mm_ThermalVias
  rect 0.64x0.64 smd: (-0.48,-0.86) (-0.48,0) (-0.48,0.86) (0.48,-0.86) (0.48,0) (0.48,0.86)
  rrect 0.85x0.28 smd: 1(-1.475,1) 2(-1.475,0.5) 3(-1.475,0) 4(-1.475,-0.5) 5(-1.475,-1) 6(1.475,-1) 7(1.475,-0.5) 8(1.475,0) 9(1.475,0.5) 10(1.475,1)
  round 0.6 hole 0.3: 11(-0.48,-0.86) 11(-0.48,0.86) 11(0,0) 11(0.48,-0.86) 11(0.48,0.86)
  rect 0.28x0.7 smd: 11(-0.25,-1.55) 11(-0.25,1.55) 11(0.25,-1.55) 11(0.25,1.55)
  rect 1.65x2.4 smd far side: 11(0,0)
  rect 1.65x2.4 smd: 11(0,0)
WS2812B反贴
  rect 1.5x0.8 smd: 1(2.8,0.75) 2(2.8,-0.75) 3(-2.8,-0.75) 4(-2.8,0.75)

## Nets
+3V3: C73.2 C74.2 C75.2 C82.1 C94.1 C98.1 C99.1 C100.1 C101.1 C112.2 C113.2 C114.2 J1.1 J3.1 R1.2 R5.2 R38.2 R39.1 U2.29 U3.29 U4.29 U5.29 U6.29 U7.29 U8.29 U9.29 U14.34 U19.4 U19.5 U20.1 U20.2 U20.5 U22.8 U23.1 U23.13 U23.19 U23.32 U23.48 U23.64
+5V: C65.1 C66.1 C67.1 C68.1 C69.1 C70.1 C71.1 C72.1 C77.1 C80.1 C81.1 C95.1 C97.1 C107.1 C108.1 D1.1 D2.1 D3.1 D4.1 D5.1 D6.1 D7.1 D8.1 D9.1 D10.1 D11.1 D12.1 D13.1 D14.1 D15.1 D16.1 D17.1 D18.1 D19.1 D20.1 D21.1 D22.1 D23.1 D24.1 D25.1 D26.1 D27.1 D28.1 D29.1 D30.1 D31.1 D32.1 D33.1 D34.1 D35.1 D36.1 D37.1 D38.1 D39.1 D40.1 D41.1 D42.1 D43.1 D44.1 D45.1 D46.1 D47.1 D48.1 D49.1 D50.1 D51.1 D52.1 D53.1 D54.1 D55.1 D56.1 D57.1 D58.1 D59.1 D60.1 D61.1 D62.1 D63.1 D64.1 J2.A4 J2.A9 J2.B4 J2.B9 U14.9 U14.30 U19.1 U19.2 U20.4 U21.1 U21.2 U21.4 U21.5
GND: C1.2 C2.2 C3.2 C4.2 C5.2 C6.2 C7.2 C8.2 C9.2 C10.2 C11.2 C12.2 C13.2 C14.2 C15.2 C16.2 C17.2 C18.2 C19.2 C20.2 C21.2 C22.2 C23.2 C24.2 C25.2 C26.2 C27.2 C28.2 C29.2 C30.2 C31.2 C32.2 C33.2 C34.2 C35.2 C36.2 C37.2 C38.2 C39.2 C40.2 C41.2 C42.2 C43.2 C44.2 C45.2 C46.2 C47.2 C48.2 C49.2 C50.2 C51.2 C52.2 C53.2 C54.2 C55.2 C56.2 C57.2 C58.2 C59.2 C60.2 C61.2 C62.2 C63.2 C64.2 C65.2 C66.2 C67.2 C68.2 C69.2 C70.2 C71.2 C72.2 C73.1 C74.1 C75.1 C76.1 C77.2 C78.1 C79.1 C80.2 C81.2 C82.2 C83.2 C84.2 C85.2 C86.1 C87.1 C88.1 C89.1 C90.1 C91.1 C92.1 C93.1 C94.2 C95.2 C96.2 C97.2 C98.2 C99.2 C100.2 C101.2 C102.2 C103.2 C104.2 C105.2 C106.2 C107.2 C108.2 C109.2 C110.2 C111.2 C112.1 C113.1 C114.1 D1.3 D2.3 D3.3 D4.3 D5.3 D6.3 D7.3 D8.3 D9.3 D10.3 D11.3 D12.3 D13.3 D14.3 D15.3 D16.3 D17.3 D18.3 D19.3 D20.3 D21.3 D22.3 D23.3 D24.3 D25.3 D26.3 D27.3 D28.3 D29.3 D30.3 D31.3 D32.3 D33.3 D34.3 D35.3 D36.3 D37.3 D38.3 D39.3 D40.3 D41.3 D42.3 D43.3 D44.3 D45.3 D46.3 D47.3 D48.3 D49.3 D50.3 D51.3 D52.3 D53.3 D54.3 D55.3 D56.3 D57.3 D58.3 D59.3 D60.3 D61.3 D62.3 D63.3 D64.3 H1.1 H2.1 H3.1 H4.1 H5.1 H6.1 J1.6 J2.A1 J2.A12 J2.B1 J2.B12 J2.S1 MW1.3 MW2.3 MW3.3 MW4.3 MW5.3 MW6.3 MW7.3 MW8.3 MW9.3 MW10.3 MW11.3 MW12.3 MW13.3 MW14.3 MW15.3 MW16.3 MW17.3 MW18.3 MW19.3 MW20.3 MW21.3 MW22.3 MW23.3 MW24.3 MW25.3 MW26.3 MW27.3 MW28.3 MW29.3 MW30.3 MW31.3 MW32.3 MW33.3 MW34.3 MW35.3 MW36.3 MW37.3 MW38.3 MW39.3 MW40.3 MW41.3 MW42.3 MW43.3 MW44.3 MW45.3 MW46.3 MW47.3 MW48.3 MW49.3 MW50.3 MW51.3 MW52.3 MW53.3 MW54.3 MW55.3 MW56.3 MW57.3 MW58.3 MW59.3 MW60.3 MW61.3 MW62.3 MW63.3 MW64.3 R2.2 R3.2 R4.1 R6.2 R7.2 R14.2 R15.2 R22.2 R23.2 R30.2 R31.2 R40.2 R42.2 R44.2 SW1.1 U2.9 U2.25 U2.33 U3.9 U3.25 U3.33 U4.9 U4.25 U4.33 U5.9 U5.25 U5.33 U6.9 U6.25 U6.33 U7.9 U7.25 U7.33 U8.9 U8.25 U8.33 U9.9 U9.25 U9.33 U10.2 U11.2 U12.2 U13.2 U14.3 U14.4 U14.6 U14.8 U14.10 U14.11 U14.13 U14.15 U14.17 U14.19 U14.20 U14.22 U14.24 U14.26 U14.28 U14.29 U14.31 U14.32 U14.33 U15.2 U16.2 U17.2 U18.2 U19.3 U19.9 U20.6 U20.11 U21.6 U21.11 U22.4 U23.12 U23.18 U23.31 U23.47 U23.63 Y1.2 Y1.4
VCC1V0: C1.1 C2.1 C3.1 C4.1 C5.1 C6.1 C7.1 C8.1 C9.1 C10.1 C11.1 C12.1 C13.1 C14.1 C15.1 C16.1 C17.1 C18.1 C19.1 C20.1 C21.1 C22.1 C23.1 C24.1 C25.1 C26.1 C27.1 C28.1 C29.1 C30.1 C31.1 C32.1 C33.1 C34.1 C35.1 C36.1 C37.1 C38.1 C39.1 C40.1 C41.1 C42.1 C43.1 C44.1 C45.1 C46.1 C47.1 C48.1 C49.1 C50.1 C51.1 C52.1 C53.1 C54.1 C55.1 C56.1 C57.1 C58.1 C59.1 C60.1 C61.1 C62.1 C63.1 C64.1 C102.1 C103.1 C104.1 C105.1 MW1.1 MW2.1 MW3.1 MW4.1 MW5.1 MW6.1 MW7.1 MW8.1 MW9.1 MW10.1 MW11.1 MW12.1 MW13.1 MW14.1 MW15.1 MW16.1 MW17.1 MW18.1 MW19.1 MW20.1 MW21.1 MW22.1 MW23.1 MW24.1 MW25.1 MW26.1 MW27.1 MW28.1 MW29.1 MW30.1 MW31.1 MW32.1 MW33.1 MW34.1 MW35.1 MW36.1 MW37.1 MW38.1 MW39.1 MW40.1 MW41.1 MW42.1 MW43.1 MW44.1 MW45.1 MW46.1 MW47.1 MW48.1 MW49.1 MW50.1 MW51.1 MW52.1 MW53.1 MW54.1 MW55.1 MW56.1 MW57.1 MW58.1 MW59.1 MW60.1 MW61.1 MW62.1 MW63.1 MW64.1 R41.1 U20.9 U20.10
VDDA: C86.2 C87.2 C88.2 C89.2 C90.2 C91.2 C92.2 C93.2 C109.1 C110.1 R43.1 U10.5 U11.5 U12.5 U13.5 U15.5 U16.5 U17.5 U18.5 U21.9 U21.10
/Analog/AIN_0P: R12.2 U10.1 U14.16
/Analog/AIN_1P: R20.2 U12.1 U14.18
/Analog/AIN_2P: R28.2 U14.21 U15.1
/Analog/AIN_3P: R36.2 U14.23 U17.1
/Analog/AIN_4P: R13.2 U11.1 U14.25
/Analog/AIN_5P: R21.2 U13.1 U14.27
/Analog/AIN_6P: R29.2 U14.12 U16.1